# Altium PCB PCB.PcbDoc
Units mm, origin at the board's own origin, x right, y up, seen from the top; angles counter-clockwise.
Board outline 152.4 x 101.6 mm, 2 copper layers (Top Layer, Bottom Layer); 52 components, 44 nets, 225 pads, 22 vias.
Unrouted connection lines stored in the file: 1.
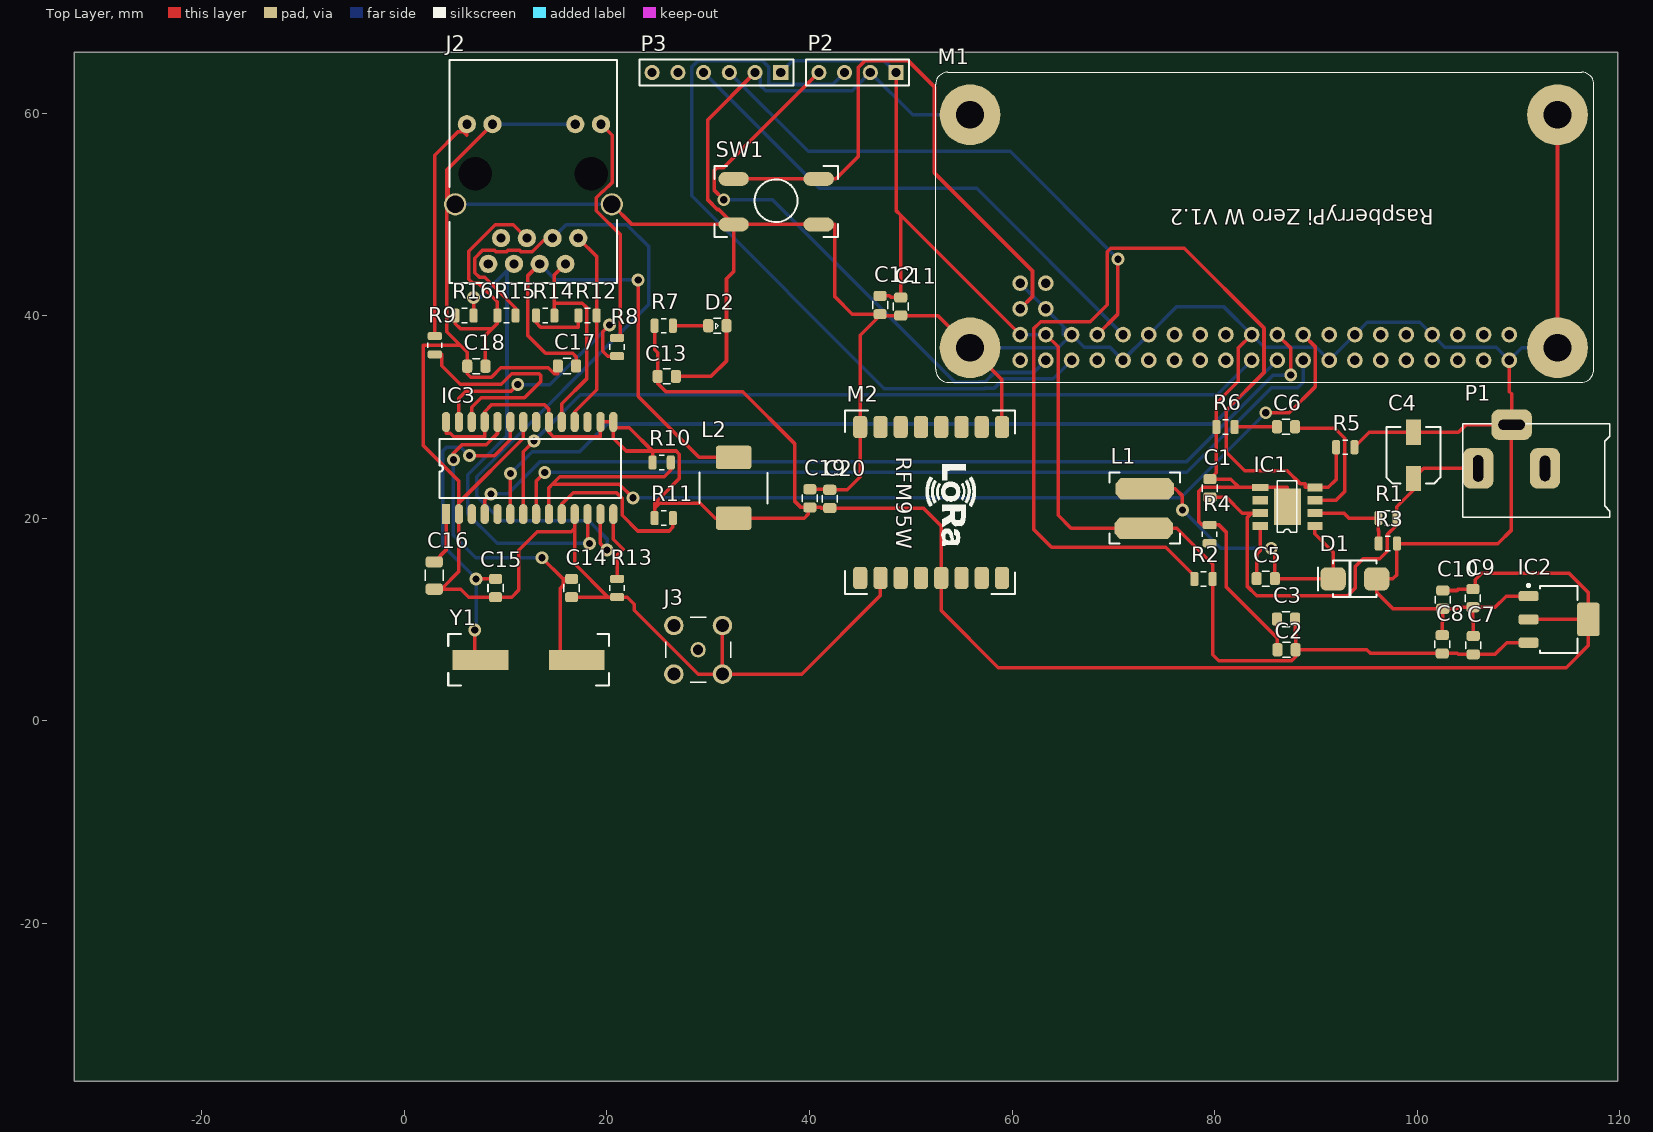
[diagram p0: Top Layer view]
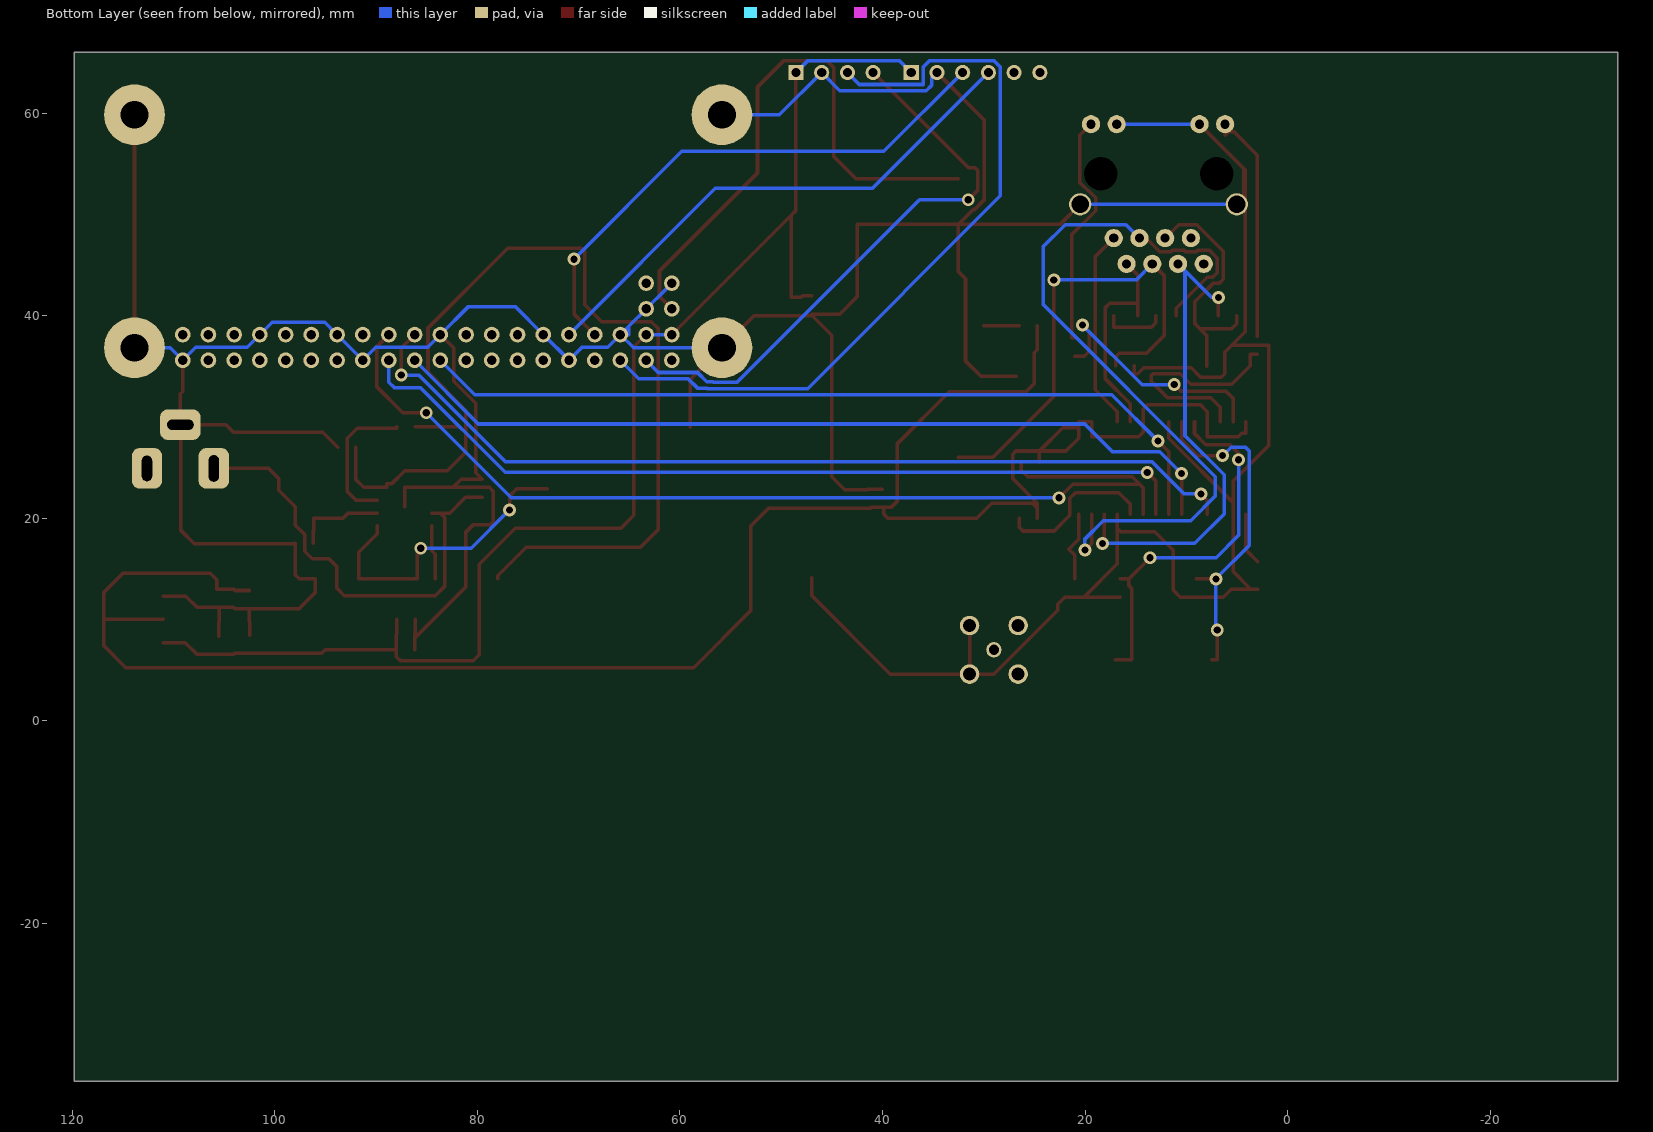
[diagram p1: Bottom Layer view, seen from below]
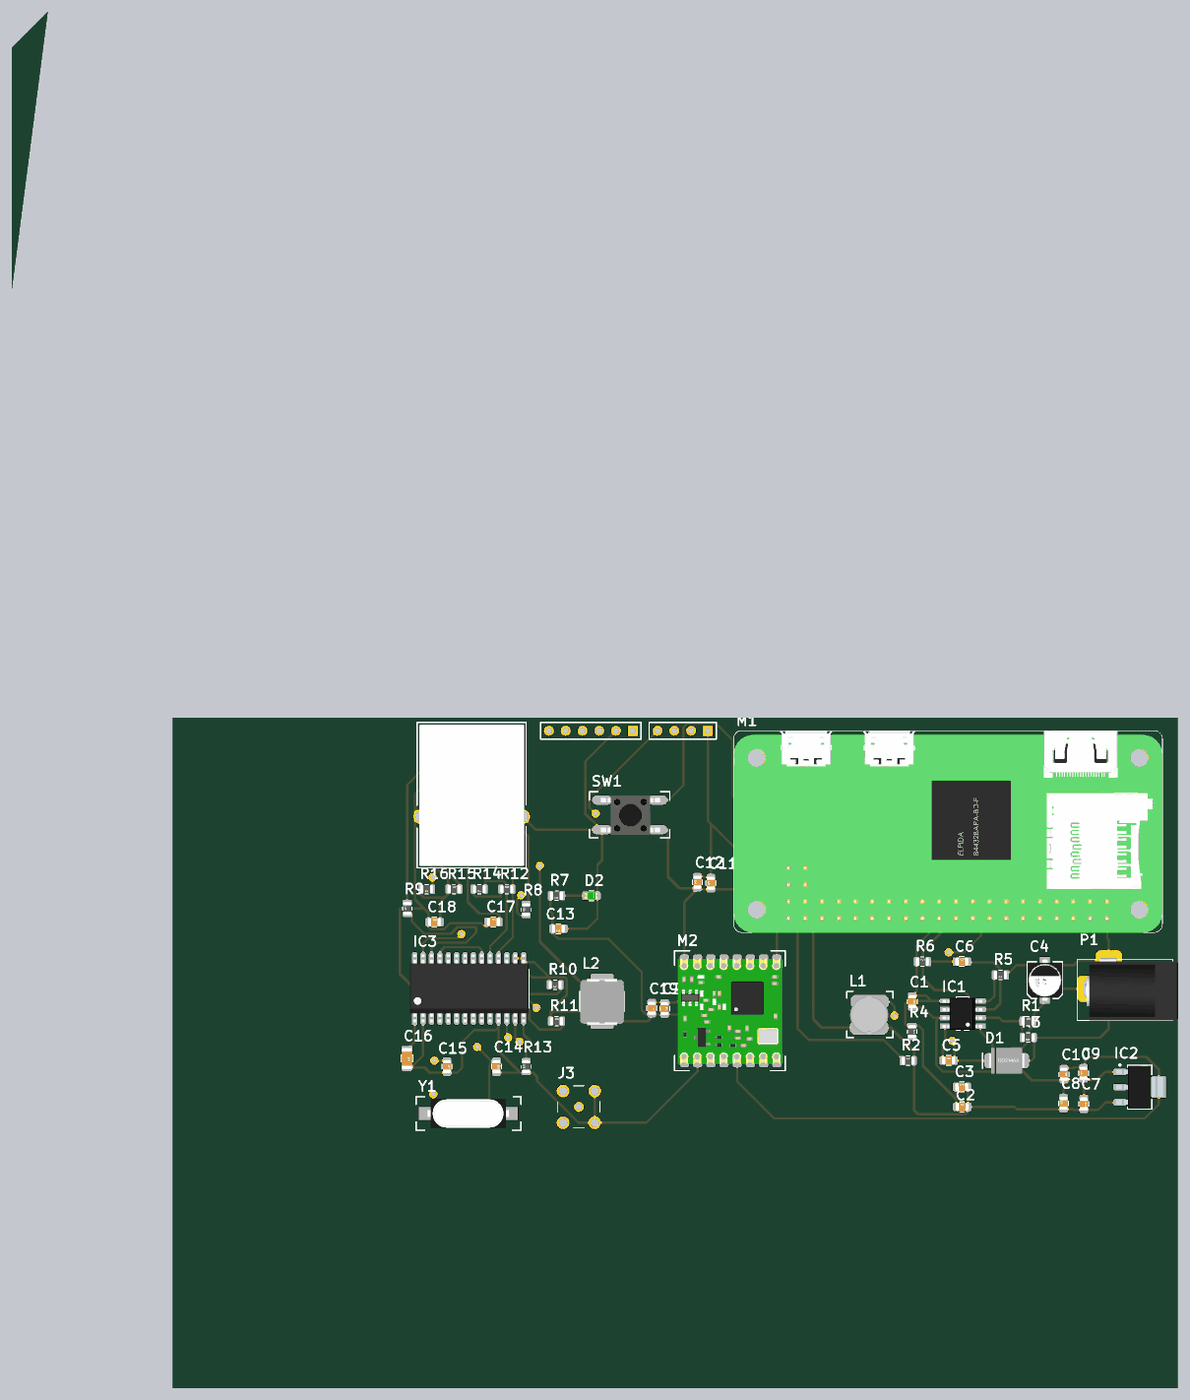
[diagram p2: 3D render of the assembled board from above, using the file's embedded part models]

## Layer stack, top to bottom
Top Solder: solder mask 0.0102, Solder Resist, Dk 3.5
Top Layer: signal copper 0.0356
Dielectric 1: dielectric 0.32, FR-4, Dk 4.8
Bottom Layer: signal copper 0.0356
Bottom Solder: solder mask 0.0102, Solder Resist, Dk 3.5

## Board outline
-32.6,-35.6 119.8,-35.6 119.8,66 -32.6,66
cut-out: -57,130.5 -57,167.5 -51.5,173

## Design rules (kind name [scope] priority, off if disabled: settings)
Clearance [All] p1: gap=0.254
HoleSize [All] p1: absolutevalues=TRUE maxlimit=2.54 minlimit=0.3 maxpercent=80.000 minpercent=20.000
PolygonConnect [All] p1: connectstyle=Relief reliefconductorwidth=0.254 reliefentries=4 polygonreliefangle="90 Angle" airgapwidth=0.254
RoomDefinition [4]_RFM95W [InComponentClass('[4]_RFM95W')] p1: confinementstyle=ConfineIn formatcopy=TRUE lockcomponents=FALSE outline 36.5,30.996 36.5,1.5 62.625,1.5 62.625,30.996
RoomDefinition [3]_ENC28J60 [InComponentClass('[3]_ENC28J60')] p2: confinementstyle=ConfineIn formatcopy=TRUE lockcomponents=FALSE outline 22.044,66 0.5,66 0.5,2 22.044,2
RoomDefinition [2]_PI_ZERO [InComponentClass('[2]_PI_ZERO')] p3: confinementstyle=ConfineIn formatcopy=TRUE lockcomponents=FALSE outline 119.759,32 119.759,66.212 22.395,66.212 22.395,32
RoomDefinition [1]_Power_Supply [InComponentClass('[1]_Power_Supply')] p4: confinementstyle=ConfineIn formatcopy=TRUE lockcomponents=FALSE outline 63.5,1.5 119.554,1.5 119.554,31.411 63.5,31.411
RoutingVias [All] p1: holewidth=0.711 width=1.27 viastyle="Through Hole" minholewidth=0.711 minwidth=1.27 maxholewidth=0.711 maxwidth=1.27
SolderMaskExpansion [All] p1: expansion=0.102
Width [All] p1: maxlimit=0.4 minlimit=0.3 preferedwidth=0.35
29 further rules are at their usual default settings.

## Classes and differential pairs
net class Y1_Nets: OSC1 OSC2
net class SW1_Nets: GND NetM1_41
net class R16_Nets: NetC18_2 TPIN-
net class R15_Nets: NetC18_2 TPIN+
net class R14_Nets: NetR12_1 TPOUT-
net class R13_Nets: GND NetIC3_14
net class R12_Nets: NetR12_1 TPOUT+
net class R11_Nets: +3.3V RESET
net class R10_Nets: +3.3V SS_ENC
net class R9_Nets: LEDB NetIC3_26
net class R8_Nets: LEDA NetIC3_27
net class R7_Nets: +3.3V NetD2_A
net class R6_Nets: GND NetC6_1
net class R5_Nets: GND NetIC1_4
net class R4_Nets: GND NetIC1_6
net class R3_Nets: GND NetIC1_2
net class R2_Nets: +5V NetIC1_4
net class R1_Nets: +12V NetIC1_2
net class P3_Nets: +5V CTS GND RTS RXD TXD
net class P2_Nets: +5V GND SCL SDA
net class P1_Nets: +12V GND
net class M2_Nets: +3.3V GND NetM2_2 NetM2_3 NetM2_4 NetM2_5 NetM2_6 NetM2_7 NetM2_9 NetM2_11 NetM2_12 NetM2_14 NetM2_15 NetM2_16
net class M1_Nets: +5V DIO0_ENC GND INT_ENC MISO MOSI NetM1_1 NetM1_7 NetM1_11 NetM1_12 NetM1_13 NetM1_15 NetM1_16 NetM1_17 NetM1_18 NetM1_27 NetM1_28 NetM1_31 NetM1_32 NetM1_33 NetM1_36 NetM1_37 NetM1_38 NetM1_40 NetM1_41 NetM1_43 RST_ENC RXD SCK SCL SDA SS_ENC SS_RFM TXD
net class L2_Nets: +3.3V NetC17_2
net class L1_Nets: +5V NetC5_2
net class J3_Nets: ANT_SIG GND NetJ3_4 NetJ3_5
net class J2_Nets: GND LEDA LEDB NetC17_2 NetC18_2 TPIN+ TPIN- TPOUT+ TPOUT-
net class IC3_Nets: +3.3V GND INT_ENC MISO MOSI NetC16_2 NetIC3_3 NetIC3_5 NetIC3_14 NetIC3_18 NetIC3_21 NetIC3_26 NetIC3_27 OSC1 OSC2 RESET SCK SS_ENC TPIN+ TPIN- TPOUT+ TPOUT-
net class IC2_Nets: +3.3V +5V GND
net class IC1_Nets: +12V GND NetC5_1 NetC5_2 NetC6_2 NetIC1_2 NetIC1_4 NetIC1_6
net class D2_Nets: GND NetD2_A
net class D1_Nets: GND NetC5_2
net class C20_Nets: +3.3V GND
net class C19_Nets: +3.3V GND
net class C18_Nets: GND NetC18_2
net class C17_Nets: GND NetC17_2
net class C16_Nets: GND NetC16_2
net class C15_Nets: GND OSC1
net class C14_Nets: GND OSC2
net class C13_Nets: +3.3V GND
net class C12_Nets: +5V GND
net class C11_Nets: +5V GND
net class C10_Nets: +3.3V GND
net class C9_Nets: +3.3V GND
net class C8_Nets: +5V GND
net class C7_Nets: +5V GND
net class C6_Nets: NetC6_1 NetC6_2
net class C5_Nets: NetC5_1 NetC5_2
net class C4_Nets: +12V GND
net class C3_Nets: +5V GND
net class C2_Nets: +5V GND
net class C1_Nets: +12V GND
component class [4]_RFM95W: C19 C20 J3 M2
component class [3]_ENC28J60: C13 C14 C15 C16 C17 C18 D2 IC3 J2 L2 R7 R8 R9 R10 R11 R12 R13 R14 R15 R16 Y1
component class [2]_PI_ZERO: C11 C12 M1 P2 P3 SW1
component class [1]_Power_Supply: C1 C2 C3 C4 C5 C6 C7 C8 C9 C10 D1 IC1 IC2 L1 P1 R1 R2 R3 R4 R5 R6

## Components (designator, comment, footprint, x,y, rotation, side; value= is the part's Value field where it differs from the comment)
C1 "Capacitor SMD 0805" Capacitor_0805 79.5,23 r270 top
C2 "Capacitor SMD 0805" Capacitor_0805 87.054,6.97 r0 top
C3 "Capacitor SMD 0805" Capacitor_0805 87,10 r0 top
C4 "Polarized capacitor SMD  5x5.4mm" CAP_EL5x5.4mm 99.626,23.657 r90 top
C5 "Capacitor SMD 0805" Capacitor_0805 85,14 r0 top
C6 "Capacitor SMD 0805" Capacitor_0805 87,29 r0 top
C7 "Capacitor SMD 0805" Capacitor_0805 105.5,7.5 r270 top
C8 "Capacitor SMD 0805" Capacitor_0805 102.5,7.5 r90 top
C9 "Capacitor SMD 0805" Capacitor_0805 105.53,12.054 r90 top
C10 "Capacitor SMD 0805" Capacitor_0805 102.5,12 r270 top
C11 "Capacitor SMD 0805" Capacitor_0805 49.03,40.854 r90 top
C12 "Capacitor SMD 0805" Capacitor_0805 47,41 r90 top
C13 "Capacitor SMD 0805" Capacitor_0805 25.946,34.03 r180 top
C14 "Capacitor SMD 0805" Capacitor_0805 16.47,13.146 r270 top
C15 "Capacitor SMD 0805" Capacitor_0805 8.97,13.146 r270 top
C16 "Capacitor SMD 1206" CAP_SMD_1206 3,13 r90 top
C17 "Capacitor SMD 0805" Capacitor_0805 16,35 r0 top
C18 "Capacitor SMD 0805" Capacitor_0805 7.054,34.97 r0 top
C19 "Capacitor SMD 0805" Capacitor_0805 40,22 r270 top
C20 "Capacitor SMD 0805" Capacitor_0805 41.97,21.946 r270 top
D1 "50V" DO214-AA 96.022,13.967 r180 top
D2 "Diode LED SMD 0805" Diode_LED_SMD_0805 31.766,38.977 r180 top
IC1 "MP1584" SOP8E 87.191,21.135 r180 top
IC2 "LD1117S50TR" SOT-223 111.023,12.263 r0 top
IC3 "ENC28J60" SO-28W 8.809,25.099 r90 top
J2 "HR911105A" HR911105A 18.43,47.65 r0 top
J3 "SMA_CONNECTOR" LPRS_SMA_CONNECTOR 29,7 r270 top
L1 "15uH" SDR0604-150YL 73.1,21 r180 top
L2 "?" IND_IHLP2525 32.462,20.069 r90 top
M1 "Raspberry Pi Zero W" RPi-zero 84.855,36.826 r90 top
M2 "RFM95W-868S2" RFM95W-868S2 59,29 r270 top
P1 "LUMBERG NEB 21 R" LUMBERG_NEB_21R 112.626,24.911 r270 top
P2 "Header 4H" HDR1X4 48.54,64 r180 top
P3 "Header 6H" HDR1X6 37.16,64 r180 top
R1 "100k" R_0805 97,20 r0 top
R2 "210k" R_0805 78.826,13.995 r0 top
R3 "24.9k" R_0805 97.174,17.505 r180 top
R4 "200k" R_0805 79.5,18.5 r270 top
R5 "40.2k" R_0805 92.974,27.005 r180 top
R6 "100k" R_0805 81,29 r0 top
R7 "1k" R_0805 25.674,39.005 r180 top
R8 "1k" R_0805 21.005,36.826 r90 top
R9 "1k" R_0805 3,37 r90 top
R10 "10k" R_0805 25.474,25.505 r180 top
R11 "10k" R_0805 25.526,19.995 r0 top
R12 "50" R_0805 18,40 r0 top
R13 "2.7k" R_0805 21.005,13.026 r90 top
R14 "50" R_0805 13.974,40.005 r180 top
R15 "50" R_0805 10,40 r0 top
R16 "50" R_0805 6,40 r180 top
SW1 "RESET raspberry" "Tact_SWITCH 6x6mm" 32.5,53.5 r0 top
Y1 "HC49SM" HC49SM 7.5,6 r0 top

## Footprints (in the part's own frame and the unit in brackets; to place one, negate y for a bottom-side part, rotate by r counter-clockwise, add the part's x,y. Pads: shape width x height; smd on the part's side, far side on the other; paste and mask are expansions set on the pad)
CAP_EL5x5.4mm [mm]
  rect 2.5x1.5 smd: 1(0.254,0) 2(4.826,0)
  silkscreen extent -0.25,-2.67 5.33,2.67, body extent -0.61,-2.67 5.69,2.63, height 5.7
CAP_SMD_1206 [mm] "CAP_SMD_1206"
  rrect50% 1.1x1.7 smd mask+0.051: 1(-0.017,0.061) 2(2.684,0.061)
  silkscreen extent 0.8,-0.83 1.89,0.95, body extent -0.28,-0.72 2.92,0.88, height 1
Capacitor_0805 [mm]
  rrect50% 1x1.3 smd: 1(-0.854,0.03) 2(0.946,0.03)
  silkscreen extent -0.3,-0.72 0.4,0.78, body extent -0.95,-0.59 1.05,0.66, height 0.78
Diode_LED_SMD_0805 [mm]
  rrect50% 1x1.3 smd: A(1.766,-0.023) C(-0.034,-0.023)
  silkscreen extent 0.52,-0.77 1.22,0.73, body extent -0.12,-0.62 1.9,0.62, height 1.1
DO214-AA [mm] "DO214-AA"
  rrect50% 2.5x2.3 smd: A(0.022,-0.033) C(4.322,-0.033)
  silkscreen extent 0.02,-1.83 5.82,1.82, body extent -0.62,-2.01 4.97,1.94, height 2.6
HC49SM [mm]
  rect 5.5x2 smd: 1(0,0) 2(9.5,0)
  silkscreen extent -3.17,-2.54 12.7,2.54, body extent -1.45,-2.25 10.85,2.25, height 5.18
HDR1X4 [mm] "Connector; Header; 4 Position"
  rect 1.5x1.5 hole 0.9: 1(0,0)
  round 1.5 hole 0.9: 2(2.54,0) 3(5.08,0) 4(7.62,0)
  silkscreen extent -1.27,-1.27 8.89,1.27
HDR1X6 [mm] "Connector; Header; 6 Position"
  rect 1.5x1.5 hole 0.9: 1(0,0)
  round 1.5 hole 0.9: 2(2.54,0) 3(5.08,0) 4(7.62,0) 5(10.16,0) 6(12.7,0)
  silkscreen extent -1.27,-1.27 13.97,1.27
HR911105A [mm]
  round 2 hole 3.3 unplated: 0(-11.43,6.35) 0(0,6.35)
  round 1.8 hole 0.9: 1(-1.265,0) 2(-2.535,-2.54) 3(-3.805,0) 4(-5.075,-2.54) 5(-6.345,0) 6(-7.615,-2.54) 7(-8.885,0) 8(-10.155,-2.54) 9(0.98,11.25) 10(-1.56,11.25) 11(-9.73,11.25) 12(-12.27,11.25)
  round 2.2 hole 1.7: 13(2.05,3.34) 14(-13.42,3.34)
  silkscreen extent -13.98,-4.43 2.56,17.61, body extent -13.64,-4.11 2.24,17.29, height 15
IND_IHLP2525 [mm] "IND_IHLP2525"
  rrect20% 2.3x3.5 smd: 1(-0.069,-0.038) 2(5.931,-0.038)
  silkscreen extent 1.38,-3.39 4.43,3.31, body extent -0.69,-3.39 6.39,3.28, height 2.92
LPRS_SMA_CONNECTOR [mm]
  round 1.508 hole 1: 1(0,0)
  round 1.92 hole 1.28: 2(-2.4,2.4) 3(2.4,2.4) 4(-2.4,-2.4) 5(2.4,-2.4)
  silkscreen extent -3.2,-3.2 3.2,3.2
LUMBERG_NEB_21R [mm] "LUMBERG NEB 21 R Connector"
  rrect50% 4x3 hole 1 slot 2.6 at 0 deg: 1(0,-6.604)
  rrect50% 4x3 hole 1 slot 2.5 at 0 deg: 2(0,0)
  rrect50% 3x4 hole 1 slot 2.6 at 90 deg: 3(-4.318,-3.302)
  silkscreen extent -4.39,-8.11 4.83,6.41, body extent -4.57,-6.86 4.83,7.24, height 11
R_0805 [mm]
  rrect50% 0.8x1.4 smd mask+0.051: 1(-0.826,0.005) 2(0.974,0.005)
  silkscreen extent -0.18,-0.71 0.33,0.72, body extent -0.93,-0.62 1.07,0.63, height 0.78
RFM95W-868S2 [mm]
  rrect50% 2.2x1.4 smd: 1(0,0) 2(0,-2) 3(0,-4) 4(0,-6) 5(0,-8) 6(0,-10) 7(0,-12) 8(0,-14) 9(14.9,-14) 10(14.9,-12) 11(14.9,-10) 12(14.9,-8) 13(14.9,-6) 14(14.9,-4) 15(14.9,-2) 16(14.9,0)
  silkscreen extent -1.65,-15.49 16.51,1.27, body extent -0.51,-15.01 15.49,0.89, height 2.19
RPi-zero [mm]
  round 1.55 hole 0.93: 1(-1.24,24.06) 2(1.3,24.06) 3(-1.24,21.52) 4(1.3,21.52) 5(-1.24,18.98) 6(1.3,18.98) 7(-1.24,16.44) 8(1.3,16.44) 9(-1.24,13.9) 10(1.3,13.9) 11(-1.24,8.82) 12(1.3,8.82) 13(-1.24,11.36) 14(1.3,11.36) 15(-1.24,6.28) 16(1.3,6.28) 17(-1.24,3.74) 18(1.3,3.74) 19(-1.24,1.2) 20(1.3,1.2) 21(-1.24,-1.34) 22(1.3,-1.34) 23(-1.24,-3.88) 24(1.3,-3.88) 25(-1.24,-6.46) 26(1.3,-6.46) 27(-1.24,-11.54) 28(1.3,-11.54) 29(-1.24,-9) 30(1.3,-9) 31(-1.24,-14.08) 32(1.3,-14.08) 33(-1.24,-16.62) 34(1.3,-16.62) 35(-1.24,-19.16) 36(1.3,-19.16) 37(-1.24,-21.7) 38(1.3,-21.7) 39(-1.24,-24.24) 40(1.3,-24.24) 41(3.84,24.06) 42(3.84,21.52) 43(6.38,21.52) 44(6.38,24.06)
  round 6 hole 2.75: 45(0,29) 46(0,-29) 47(23,-29) 48(23,29)
  silkscreen extent -3.4,-32.6 27.2,32.4, body extent -3.43,-32.59 27.2,32.41, height 8.2
SDR0604-150YL [mm]
  oct 5.8x2.1 smd: 1(0,-1.9) 2(0.1,2)
  silkscreen extent -3.5,-3.5 3.5,3.5, body extent -2.8,-2.8 3,3, height 4.8
SO-28W [mm]
  rect 2x0.82 smd: 1(-4.699,4.699)
  oval 2x0.82 smd: 2(-4.699,3.429) 3(-4.699,2.159) 4(-4.699,0.889) 5(-4.699,-0.381) 6(-4.699,-1.651) 7(-4.699,-2.921) 8(-4.699,-4.191) 9(-4.699,-5.461) 10(-4.699,-6.731) 11(-4.699,-8.001) 12(-4.699,-9.271) 13(-4.699,-10.541) 14(-4.699,-11.811) 15(4.401,-5.461) 16(4.401,-6.731) 17(4.401,-8.001) 18(4.401,-9.271) 19(4.401,-10.541) 20(4.401,-11.811) 21(4.401,-4.191) 22(4.401,-2.921) 23(4.401,-1.651) 24(4.401,-0.381) 25(4.401,0.889) 26(4.401,2.159) 27(4.401,3.429) 28(4.401,4.699)
  silkscreen extent -3.11,-12.57 2.72,5.33, body extent -5.28,-12.52 5.03,5.41, height 2.48
SOP8E [mm]
  rect 1.505x0.802 smd: 1(-2.709,1.905) 2(-2.709,0.635) 3(-2.709,-0.635) 4(-2.709,-1.905) 6(2.692,-0.635) 7(2.692,0.635) 8(2.692,1.905)
  rect 1.6x0.7 smd: 5(2.692,-1.905)
  rect 2.65x3.6 smd: 9(0,0)
  silkscreen extent -0.92,-2.54 1,2.54, body extent -2.94,-2.42 3.05,2.48, height 1.6
SOT-223 [mm] "SOT223, 4-Leads, Body 6.5x3.5mm, Pitch 2.3mm, Lead Span 7mm, IPC Medium Density"
  rrect50% 2x1 smd: 1(-0.023,0.037) 2(-0.023,-2.263) 3(-0.023,-4.563)
  rrect20% 2.2x3.3 smd: 4(5.877,-2.263)
  silkscreen extent -0.15,-5.56 4.83,1.21, body extent -0.57,-5.51 6.52,0.99, height 1.65
"Tact_SWITCH 6x6mm" [mm]
  oval 3x1.4 smd: 1(0,0) 2(8.4,0) 3(0,-4.5) 4(8.4,-4.5)
  silkscreen extent -1.91,-5.72 10.29,1.27, body extent -0.18,-5.29 8.82,0.71, height 4.3

## Part data
C1 C2 C3 C5 C6 C7 C8 C9 C10 C11 C12 C13 C14 C15 C17 C18 C19 C20: "Ceramic Capacitor SMD 0805"
C4: "Electrolytic Capacitor SMD 5x5.4mm"
C16: "Ceramic Capacitor SMD 1206"
D1: library part "Diode Rectifier RS3AB-13-F", "RS3AB-13-F -Diode Standard 50V 3A Surface Mount SMB"
IC1: "MP1584_3A, 1.5MHz, 28V_Step-Down Converter"
IC2: "LD1117S50TR - Fixed low drop positive voltage regulator"
IC3: "ENC28J60 - Stand-Alone Ethernet Controller  with SPI Interface"
J2: "HR911105A - Ethernet connector RJ45"
J3: "CONNECTOR, SMA, ANTENNA; SVHC: No SVHC _19-Dec-2012_; For Use With: Antenna; Kit Contents: SMA Connector"
L1: library part SDR0604-150YL, "SDR0604-150YL - SMD Power Inductors"
L2: library part IHLP2525CZER150M01, "Power Inductor IHLP2525 Series"
M1: "Raspberry Pi Zero W module"
M2: library part RFM95W, "HOPE MICROELECTRONICS RFM95W-868S2 - LoRa RF Module"
P1: "LUMBERG NEB 21 R DC Power Connector"
P2: library part "Header 4", "Header, 4-Pin"
P3: library part "Header 6", "Header, 6-Pin"
R1 R2 R3 R4 R5 R6 R7 R8 R9 R10 R11 R12 R13 R14 R15 R16: library part "Resistor SMD 0805", "Resistor SMD 0805"
SW1: library part "Switch 6x6mm SMD SPST-NO", "SCHURTER 1301.9315 - 6x6 mm tact switches"
Y1: "HC49SM - Crystal oscilator"

## Via types
v1: diameter 1.27, hole 0.711, Top Layer to Bottom Layer, 22 vias

## Nets (pads, with @x,y where several pads share a name; then routed paths per layer and width w, separated by ;. In a path a pad name is that pad's centre, name@x,y a point inside that pad or via, vN(x,y) a via of type N, cw(c..) or ccw(c..) an arc to the next point about the centre after c; other vN are vias at no path point)
+3.3V: C9.2 C10.1 C13.2 C19.2 C20.2 IC2.2 IC2.4 IC3.15 IC3.19 IC3.20 IC3.25 IC3.28 L2.1 M2.13 R7.2 R10.2 R11.1 | length 209.5
  Top Layer w0.35: IC3.28 4.11,28.383 4.535,28.383 4.865,28.052 7.92,28.052 IC3.25 7.92,30.523 8.613,31.216 13.817,31.216 14.27,30.763 IC3.15 14.27,28.49 14.707,28.052 19.35,28.052 IC3.19 IC3.20 IC3.20@20.62,28.916 ; R10.2 24.5,26.63 ; R11.1 24.7,20.989 ; R7.2 24.7,36.633 25,36.333 C13.2 25,33.292 25.82,32.472 33.415,32.472 38.52,27.367 38.52,21.689 39.155,21.054 C19.2@39.892,21.054 ; C10.1 103.925,12.854 104.071,13 C9.2 105.728,13 105.728,13.93 106.363,14.565 114.995,14.565 116.9,12.66 IC2.4 ; IC2.2 IC2.4 ; IC3.20@20.62,28.916 22.214,28.916 24.5,26.63 ; IC3.20@20.62,28.916 20.62,27.9 21.89,26.63 24.5,26.63 ; 24.5,26.63 26.823,26.63 27.141,26.313 27.141,23.915 24.7,21.474 24.7,20.989 ; 24.7,20.989 25.185,21.474 29.223,21.474 30.697,20 L2.1 39.472,20 39.892,20.419 C19.2@39.892,21.054 ; C19.2@39.892,21.054 C19.2 41.124,21.054 41.178,21 C20.2 51.22,21 53,19.22 M2.13 53,10.882 58.639,5.243 114.72,5.243 116.9,7.423 IC2.4
+5V: C2.2 C3.2 C7.2 C8.1 C11.2 C12.2 IC2.3 L1.2 M1.2 M1.4 P2.1 P3.1 R2.2 | length 136.6
  Top Layer w0.35: C12.2 47.893,41.946 48.038,41.8 C11.2 49,49.921 ; P2.1 48.54,50.381 49,49.921 ; M1.2 49,49.921 ; M1.4 64.544,36.917 64.544,20.28 65.824,19 L1.2 76.254,19 79.8,15.454 R2.2 79.8,6.513 80.41,5.904 87.594,5.904 88,6.31 C2.2 ; C3.2 87.946,8.523 88,8.469 C2.2 ; IC2.3 108.83,7.7 107.684,6.554 C7.2 104.042,6.554 103.95,6.646 C8.1 95.389,6.646 95.035,7 C2.2
  Bottom Layer w0.35: P3.1 38.347,65.187 47.353,65.187 P2.1 ; M1.2 M1.4
+12V: C1.2 C4.1 IC1.7 P1.1 R1.2 | length 45.4
  Top Layer w0.35: C1.2 81.167,22.054 82.721,20.5 83.647,20.5 ; IC1.7 83.647,20.5 ; P1.1 100.626,24.911 C4.1 99.626,22.771 97.974,21.118 R1.2 97.974,19.315 97.042,18.383 97.042,16.724 96.305,15.987 94.654,15.987 93.867,15.2 93.867,13.066 93.13,12.33 84.164,12.33 83.199,13.295 83.199,20.051 83.647,20.5
ANT_SIG: J3.1
CTS: P3.6
DIO0_ENC: M1.35
GND: C1.1 C2.1 C3.1 C4.2 C7.1 C8.2 C9.1 C10.2 C11.1 C12.1 C13.1 C14.2 C15.2 C16.1 C17.1 C18.1 C19.1 C20.1 D1.A D2.C IC1.5 IC1.9 IC2.1 IC3.2 IC3.11 IC3.22 J2.10 J2.11 J2.13 J2.14 J3.2 J3.3 M1.6 M1.9 M1.14 M1.20 M1.25 M1.30 M1.34 M1.39 M1.42 M1.44 M1.45 M1.46 M1.47 M1.48 M2.1 M2.8 M2.10 P1.3 P2.2 P3.2 R3.1 R4.1 R5.1 R6.1 R13.1 SW1.3 SW1.4 | length 546
  Top Layer w0.35: C16.1 C16.1@3.621,12.983 ; J2.14 4.332,50.99 4.332,54.532 ; J2.11 4.332,54.532 ; IC3.22 11.73,27.9 5.38,21.55 ; C17.1 15.146,34.25 14.794,34.25 14.192,34.851 9.522,34.851 8.59,33.92 6.53,33.92 6.2,34.25 C18.1 6.2,36.369 5.5,37.069 ; C14.2 20.105,12.2 ; IC3.11 16.81,19.01 ; J2.13 22.47,49 SW1.3 ; C13.1 26.8,33.996 30.276,33.996 31.8,35.52 D2.C 31.8,43.648 32.5,44.348 SW1.3 ; J3.2 J3.3 ; P3.2 29.967,59.347 29.967,51.412 30.9,50.479 31.021,50.479 SW1.3 ; C19.1 41.488,22.854 41.543,22.8 C20.1 43.71,22.8 45,24.09 M2.8 45,38.06 46.94,40 C12.1@46.97,40 ; M2.10 47,12.377 39.223,4.6 J3.3 ; M2.1 59,33.681 M1.45 52.681,40 C11.1 C12.1@46.97,40 ; M1.20 82.335,36.806 82.335,33.513 80.174,31.352 R6.1 80.174,24.497 C1.1 81.598,23.854 82.413,23.04 ; C3.1 86.146,8.523 86.2,8.469 86.2,8.135 ; C2.1 86.2,8.135 ; IC1.9 87.191,23.04 IC1.5 82.413,23.04 ; R5.1 95.283,28.483 C4.2 104.077,28.483 104.823,29.229 P1.3@109.31,29.229 ; R3.1 R3.1@98,17.486 ; C8.2 102.47,9.714 102.53,9.775 C10.2 ; C7.1 105.53,9.739 105.5,9.769 C9.1 ; M1.39 109.095,32.498 109.324,32.269 P1.3 P1.3@109.31,29.229 ; IC2.1 108.784,12.3 107.684,11.2 C9.1 ; M1.46 M1.47 ; C16.1@3.621,12.983 5.576,12.983 6.36,12.2 C15.2 10.58,12.2 11.291,12.911 11.291,16.826 13.12,18.654 16.454,18.654 16.81,19.01 ; C16.1@3.621,12.983 5.38,14.743 IC3.2 5.38,21.55 ; 4.332,54.532 4.179,54.379 4.179,38.39 5.5,37.069 ; 5.38,21.55 5.38,23.633 1.842,27.17 1.842,37.069 5.5,37.069 ; 16.81,19.01 16.81,15.495 20.105,12.2 ; 20.105,12.2 R13.1 22.01,12.2 22.696,11.514 22.696,10.907 29.003,4.6 J3.3 ; SW1.3 SW1.4 42.508,49 42.508,41.87 44.232,40.146 C12.1 C12.1@46.97,40 ; 82.413,23.04 78.842,23.04 78.449,22.646 78.449,19.645 78.767,19.326 R4.1 80.43,19.326 81.167,18.59 81.167,13.168 86.2,8.135 ; R3.1@98,17.486 107.964,17.486 109.31,18.832 P1.3@109.31,29.229 ; R3.1@98,17.486 98,14.425 97.575,14 D1.A 96,12.66 97.606,11.054 C10.2 ; C10.2 103.925,11.054 104.071,11.2 C9.1
  Bottom Layer w0.35: J2.14 J2.13 ; J2.11 J2.10 ; P3.2 35.152,63.468 35.152,62.728 35.662,62.217 44.217,62.217 P2.2 50.174,59.826 M1.48 ; M1.45 64.575,36.826 M1.6 ; M1.46 110.335,36.826 M1.39 107.814,36.866 102.734,36.866 M1.34 100.271,39.33 95.059,39.33 M1.30 93.841,38.126 91.315,35.599 M1.25 90.034,36.866 84.914,36.866 M1.20 80.927,40.854 76.223,40.854 M1.14 73.47,38.126 70.955,35.61 M1.9 69.674,36.866 67.134,36.866 M1.6 ; 61.395,42.582 60.795,43.182 M1.44 61.395,42.606 61.395,42.582 ; 61.395,42.582 63.31,40.666 M1.42 ; M1.42 65.041,38.959 65.041,38.935 ; M1.42 63.335,40.642 65.041,38.935 ; 65.041,38.935 65.041,38.126 M1.6@65.85,38.126 ; 65.041,38.935 M1.6@65.85,38.126 ; M1.6@65.85,38.126 M1.6
INT_ENC: IC3.4 M1.22 | length 90.6
  Top Layer w0.35: IC3.4 7.92,21.753 v1(8.555,22.388) ; M1.22 87.517,36.804 v1(87.517,34.123)
  Bottom Layer w0.35: v1(8.555,22.388) 10.217,22.388 13.418,25.589 77.23,25.589 85.764,34.123 v1(87.517,34.123)
LEDA: J2.9 R8.2 | length 23.5
  Top Layer w0.35: J2.9 20.509,57.801 20.509,53.139 19.638,52.268 19.595,52.268 18.951,51.623 18.951,50.357 21.327,47.981 21.327,37.8 R8.2
LEDB: J2.12 R9.2 | length 23.3
  Top Layer w0.35: R9.2 2.985,37.974 2.985,55.84 5.32,58.175 5.793,58.175 6.16,57.808 J2.12
MISO: IC3.6 M1.21 | length 84.4
  Top Layer w0.35: IC3.6 v1(10.46,24.395)
  Bottom Layer w0.35: v1(10.46,24.395) 12.612,26.547 17.287,26.547 20.037,29.297 79.906,29.297 M1.21
MOSI: IC3.7 M1.19 | length 81.8
  Top Layer w0.35: IC3.7 11.73,26.561 v1(12.79,27.621)
  Bottom Layer w0.35: v1(12.79,27.621) 17.358,32.189 80.258,32.189 M1.19
NetC5_1: C5.1 IC1.8 | length 5.3
  Top Layer w0.35: C5.1 84.146,16.445 84.5,16.799 IC1.8
NetC5_2: C5.2 D1.C IC1.1 L1.1 | length 30.6
  Top Layer w0.35: L1.1 76.108,22.9 76.823,22.185 v1(76.823,20.813) ; v1(85.586,17.029) 85.946,16.669 C5.2 88.787,14.031 88.817,14 D1.C 91.7,16.622 89.879,18.444 89.879,19.23 IC1.1
  Bottom Layer w0.35: v1(76.823,20.813) 80.608,17.029 v1(85.586,17.029)
NetC6_1: C6.1 R6.2 | length 4.2
  Top Layer w0.35: R6.2 86.146,29.005 C6.1
NetC6_2: C6.2 IC1.3 | length 14
  Top Layer w0.35: C6.2 87.946,28.891 91.86,28.891 92.851,27.9 92.851,22.634 91.987,21.77 IC1.3
NetC16_2: C16.2 IC3.1 | length 5.2
  Top Layer w0.35: C16.2 4.11,16.855 IC3.1
NetC17_2: C17.2 J2.4 L2.2 | length 47.9
  Top Layer w0.35: J2.4 12.155,43.91 12.155,38.06 13.933,36.282 16.612,36.282 16.946,35.949 C17.2 ; v1(23.077,43.521) 23.077,32.015 29.092,26 L2.2
  Bottom Layer w0.35: J2.4 14.944,43.521 v1(23.077,43.521)
NetC18_2: C18.2 J2.5 R15.1 R16.2 | length 25.4
  Top Layer w0.35: R16.2 5.026,39.194 5.5,38.72 8.675,38.72 ; C18.2 8,38.045 8.675,38.72 ; J2.5 10.756,48.979 8.951,48.979 6.342,46.37 6.342,43.605 6.77,43.177 7.368,43.177 9.174,41.371 R15.1 9.174,39.219 8.675,38.72
NetD2_A: D2.A R7.1 | length 3.5
  Top Layer w0.35: R7.1 D2.A
NetIC1_2: IC1.2 R1.1 R3.2 | length 9
  Top Layer w0.35: IC1.2 92.774,20.5 93.269,20.005 R1.1 96.174,18.757 96.2,18.731 R3.2
NetIC1_4: IC1.4 R2.1 R5.2 | length 100.1
  Top Layer w0.35: R2.1 78,14.311 75.181,17.13 63.895,17.13 62.117,18.908 62.117,38.695 62.828,39.406 67.73,39.406 69.388,41.064 69.388,46.315 69.727,46.654 76.993,46.654 84.875,38.771 84.875,34.377 81.141,30.643 81.141,26.503 82.97,24.674 87.186,24.674 88.482,23.379 88.939,23.379 88.939,23.04 IC1.4 91.225,23.04 92,23.815 R5.2
NetIC1_6: IC1.6 R4.2
NetIC3_14: IC3.14 R13.2 | length 7
  Top Layer w0.35: IC3.14 20.62,17.913 21.589,16.944 21,16.356 R13.2
NetIC3_26: IC3.26 R9.1 | length 22.7
  Top Layer w0.35: R9.1 3.697,36.174 3.697,35.037 5.5,33.234 9.567,33.234 10.58,34.247 13.301,34.247 13.437,34.11 13.437,33.475 11.85,31.888 7.583,31.888 6.65,30.955 IC3.26
NetIC3_27: IC3.27 R8.1 | length 24.7
  Top Layer w0.35: IC3.27 5.38,31.837 6.091,32.548 10.555,32.548 v1(11.19,33.183) ; v1(20.257,39.076) 19.597,38.416 19.597,36.473 20.069,36 R8.1
  Bottom Layer w0.35: v1(11.19,33.183) 14.365,33.183 v1(20.257,39.076)
NetM1_41: M1.41 SW1.1 SW1.2 | length 57.3
  Top Layer w0.35: SW1.1 SW1.2 42.609,53.5 44.819,55.71 44.819,64.501 45.505,65.187 49.721,65.187 52.338,62.571 52.338,54.087 62.015,44.41 62.015,41.886 M1.41
NetR12_1: R12.1 R14.2 | length 6.2
  Top Layer w0.35: R14.2 13,39.285 13.437,38.847 17.174,38.847 R12.1
OSC1: C15.1 IC3.23 Y1.1 | length 34.1
  Top Layer w0.35: v1(6.414,26.173) 8.885,26.173 10.46,27.748 IC3.23 ; v1(6.948,8.952) 6.948,6 Y1.1 ; v1(7.075,14) C15.1
  Bottom Layer w0.35: v1(6.414,26.173) 5.576,27.011 4.154,27.011 3.773,26.63 3.773,17.302 v1(7.075,14) 7.075,9.079 v1(6.948,8.952)
OSC2: C14.1 IC3.24 Y1.2 | length 37.5
  Top Layer w0.35: v1(4.84,25.766) 4.84,26.401 5.678,27.24 8.065,27.24 9.19,28.364 IC3.24 ; v1(13.571,16.089) 15.66,14 ; C14.1 15.66,14 ; Y1.2 15.406,6 15.406,13.092 15.66,13.346 15.66,14
  Bottom Layer w0.35: v1(4.84,25.766) 4.84,18.299 7.049,16.089 v1(13.571,16.089)
RESET: IC3.10 R11.2 | length 16
  Top Layer w0.35: IC3.10 15.54,21.398 16.658,22.515 20.943,22.515 21.502,21.956 21.502,20.28 23.051,18.731 26.137,18.731 26.5,19.093 R11.2
RST_ENC: M1.29
RTS: P3.5
RXD: M1.10 P3.4 | length 52.1
  Bottom Layer w0.35: P3.4 40.977,52.563 56.517,52.563 M1.10
SCK: IC3.8 M1.23 | length 85.2
  Top Layer w0.35: IC3.8 13,23.665 v1(13.857,24.522)
  Bottom Layer w0.35: v1(13.857,24.522) 77.255,24.522 85.591,32.858 88.166,32.858 88.735,33.427 M1.23
SCL: M1.5 P2.3 | length 77.1
  Bottom Layer w0.35: P2.3 42.281,62.821 35.98,62.821 35.98,64.552 35.345,65.187 28.995,65.187 28.36,64.552 28.36,51.827 47.394,32.793 57.297,32.793 57.35,32.846 58.263,32.846 59.196,33.778 64.067,33.778 M1.5
SDA: M1.3 P2.4 | length 57.8
  Top Layer w0.35: v1(31.535,51.446) 30.571,52.41 30.571,54.292 30.9,54.621 31.541,54.621 P2.4
  Bottom Layer w0.35: v1(31.535,51.446) 36.336,51.446 54.384,33.397 56.681,33.397 56.747,33.463 57.341,33.463 58.26,34.382 62.131,34.382 M1.3
SS_ENC: IC3.9 M1.24 R10.1 | length 102.2
  Top Layer w0.35: IC3.9 14.27,23.017 14.606,23.353 ; v1(22.569,22.007) 21.223,23.353 14.606,23.353 ; R10.1 26.3,24.725 25.665,24.09 15.343,24.09 14.606,23.353 ; v1(85.053,30.415) 87.364,30.415 89.955,33.005 89.955,36.906 M1.24
  Bottom Layer w0.35: v1(22.569,22.007) 76.645,22.007 v1(85.053,30.415)
SS_RFM: M1.26
TPIN+: IC3.13 J2.3 R15.2 | length 78.5
  Top Layer w0.35: R15.2 10.974,40.727 7.92,43.781 7.405,43.781 6.946,44.24 6.946,45.68 7.705,46.439 8.904,46.439 9.022,46.321 10.096,46.321 10.217,46.442 11.367,46.442 11.488,46.321 12.636,46.321 13.965,47.65 J2.3 ; IC3.13 19.35,17.504 v1(20.003,16.851)
  Bottom Layer w0.35: J2.3 15.957,48.982 21.959,48.982 24.144,46.798 24.144,41.108 7.126,24.09 7.126,22.185 9.564,19.747 18.2,19.747 20.003,17.943 v1(20.003,16.851)
TPIN-: IC3.12 J2.6 R16.1 | length 49
  Top Layer w0.35: R16.1 v1(6.826,41.794) ; IC3.12 18.08,17.708 v1(18.276,17.511)
  Bottom Layer w0.35: v1(6.826,41.794) 7.499,41.794 10.126,44.421 ; J2.6 10.126,44.421 ; v1(18.276,17.511) 9.154,17.511 6.252,20.413 6.252,24.276 10.126,28.15 10.126,44.421
TPOUT+: IC3.17 J2.1 R12.2 | length 19.8
  Top Layer w0.35: IC3.17 16.81,30.511 18.974,32.674 R12.2 18.974,45.841 J2.1
TPOUT-: IC3.16 J2.2 R14.1 | length 21.3
  Top Layer w0.35: R14.1 14.8,41.21 ; IC3.16 15.54,31.304 18.022,33.786 18.022,40.752 17.565,41.21 14.8,41.21 ; J2.2 14.8,44.015 14.8,41.21
TXD: M1.8 P3.3 | length 54.3
  Top Layer w0.35: M1.8 70.452,40.164 v1(70.452,45.574)
  Bottom Layer w0.35: P3.3 39.859,56.221 59.805,56.221 v1(70.452,45.574)
pads on no net: IC3.3 IC3.5 IC3.18 IC3.21 J2.0 J2.7 J2.8 J3.4 J3.5 M1.1 M1.7 M1.11 M1.12 M1.13 M1.15 M1.16 M1.17 M1.18 M1.27 M1.28 M1.31 M1.32 M1.33 M1.36 M1.37 M1.38 M1.40 M1.43 M2.2 M2.3 M2.4 M2.5 M2.6 M2.7 M2.9 M2.11 M2.12 M2.14 M2.15 M2.16 P1.2

## Silkscreen, mask and mechanical layers (free items; w line width, h text height)
Mechanical 1:
  lines w1.2: 0,0 0,16.9 0,49.1 0,66 119.8,66 119.8,0 0,0

## Text inside footprints (layer, text, board x,y; h text height)
M1: Top Overlay "RaspberryPi Zero W V1.2" at 101.655,50.526 h1.52 r180
M2: Top Overlay "RFM95W" at 48.586,26.079 h1.5 r270